# Allegro board WeChat_ZM_PART_20200601.brd (continued)
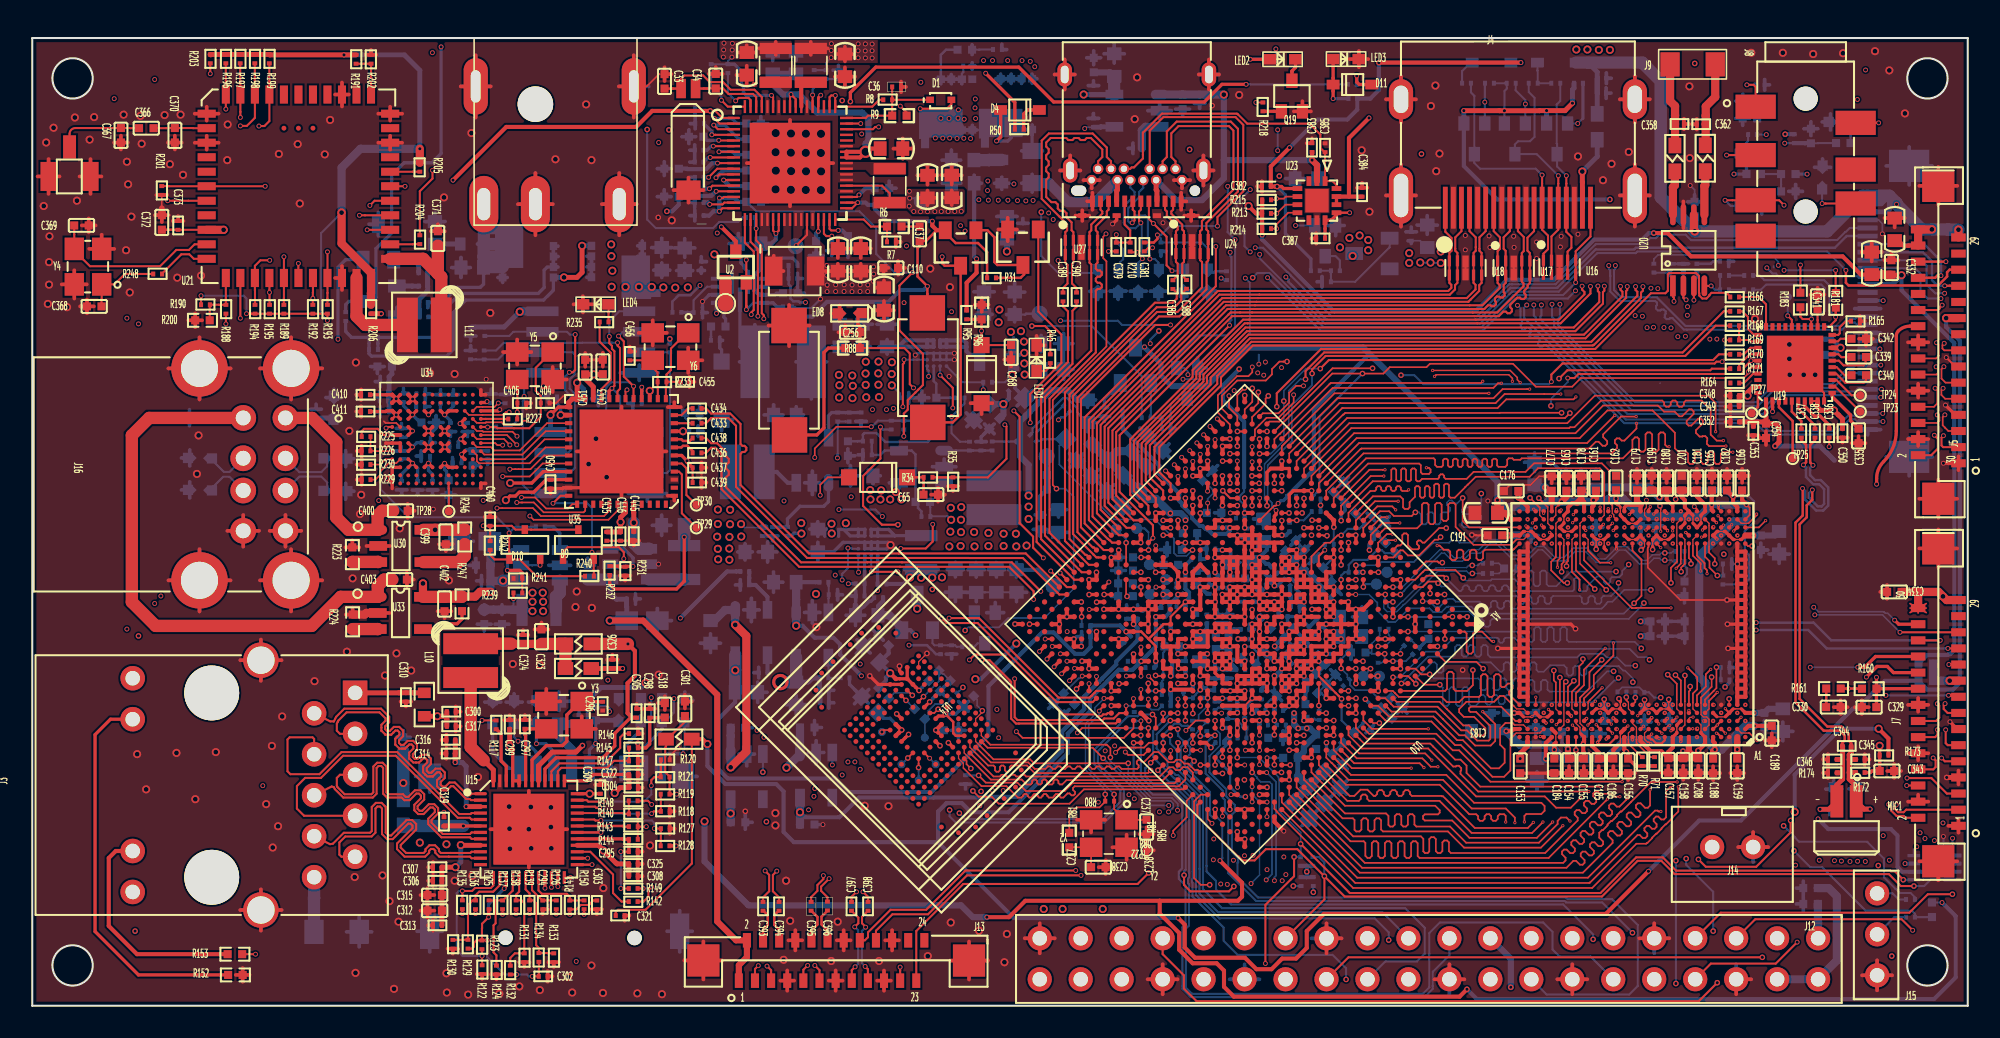
[diagram p0: board, top side]
## Routing (per net, layer and track width the routed paths; a pad name or vN(x,y) marks a point on that pad's centre or on a via; arc(x,y) is an arc through that point) (continued)
  BOTTOM w0.203: v1(18.95,41.32) 18.95,45.78 19.43,46.26 Q6.2
DDC_SCL: length 15
  TOP w0.127: v1(94.61,51.47) 94.61,50.97 94.61,50.97 J4.15 94.61,48.12 94.19,47.7 U16.9 U16.2
  BOTTOM w0.127: R155.2 92.78,56.65 93.14,56.29 93.14,53.88 92.86,53.6 92.13,53.6 91.92,53.4 Q15.3 93.28,52.8 v1(94.61,51.47)
DDC_SDA: length 12.4
  TOP w0.127: v1(95.11,51.47) 95.11,50.97 95.11,50.97 J4.16 95.11,47.99 95.43,47.67 95.43,47 95.19,46.76 U16.7 U16.4
  BOTTOM w0.127: v1(95.11,51.47) 94.54,52.04 Q17.3 94.54,53.44 94.51,53.47 94.51,55.88 94.73,56.1 R159.2
DDR0_A0: length 32.8
  TOP w0.076: 103.96,28.48 103.96,29.76 103.96,29.76 103.96,29.91 U11.AH6 ; 95.96,27.41 95.96,29.77 95.96,29.91 U11.AH21
  TOP w0.102: U10.F2 v2(86.2,25.08) ; 103.96,28.48 103.96,28.1 104.32,27.75 v2(104.32,27.4) ; v2(97.59,25.79) 95.96,27.41
  SIG2 w0.076: v2(97.59,25.79) v2(100.36,25.79) 103.07,25.79 104.32,27.03 v2(104.32,27.4)
  BOTTOM w0.102: v2(86.2,25.08) 86.64,25.08 86.79,24.92 86.79,24.91 86.98,24.72 87.25,24.72 87.56,25.02 87.56,25.02 87.76,25.23 88.08,25.23 88.26,25.05 89.73,25.05 90.17,24.62 90.31,24.62 90.43,24.74 90.43,24.98 90.55,25.1 90.72,25.1 90.84,24.98 90.84,24.74 90.96,24.62 91.13,24.62 91.25,24.74 91.25,24.98 91.37,25.1 91.53,25.1 91.65,24.98 91.65,24.74 91.77,24.62 97.3,24.62 97.59,24.92 97.59,24.95 97.7,25.05 97.97,25.05 98.7,25.79 v2(100.36,25.79)
DDR0_A1: length 28.3
  TOP w0.076: U11.AF6 103.61,29.06 v3(103.5,29.06) ; 96.46,28.45 96.46,28.91 96.34,29.03 96.34,29.03 U11.AF21
  TOP w0.102: U10.F1 v2(86.66,25.56) ; v3(97.87,27.47) 97.2,27.47 96.46,28.21 96.46,28.45
  SIG1 w0.076: v3(103.5,29.06) 103.5,27.38 102.72,26.6 v4(100.13,26.6) 99.29,26.6 98.42,27.47 v3(97.87,27.47)
  SIG2 w0.076: v2(86.66,25.56) 86.99,25.89 87.29,25.89 87.52,26.12 87.87,26.12 87.95,26.03 87.95,25.85 88.04,25.76 88.17,25.76 88.26,25.85 88.26,26.03 88.35,26.12 88.47,26.12 88.56,26.03 88.56,25.85 88.65,25.76 88.78,25.76 88.87,25.85 88.87,26.03 88.96,26.12 89.08,26.12 89.17,26.03 89.17,25.85 89.26,25.76 89.39,25.76 89.48,25.85 89.48,26.03 89.57,26.12 89.69,26.12 89.78,26.03 89.78,25.85 89.87,25.76 90,25.76 90.09,25.85 90.09,26.03 90.18,26.12 90.3,26.12 90.39,26.03 90.39,25.85 90.48,25.76 90.61,25.76 90.7,25.85 90.7,26.03 90.79,26.12 90.91,26.12 91,26.03 91,25.85 91.09,25.76 91.22,25.76 91.31,25.85 91.31,26.03 91.4,26.12 92.91,26.12 93.37,26.57 99.91,26.57 99.94,26.6 v4(100.13,26.6)
DDR0_A2: length 28.5
  TOP w0.102: v2(95.12,27.26) 95.12,27.48 95.21,27.57 U11.AE23 ; v2(102.84,27.4) 102.84,27.63 102.71,27.76 U11.AE8 ; v2(87.67,26.5) 87.51,26.66 86.45,26.66 U10.G1
  SIG2 w0.076: v2(102.84,27.4) 102.69,27.25 99.29,27.25 99.19,27.35 v2(98.98,27.35) 95.43,27.35 95.34,27.26 v2(95.12,27.26)
  BOTTOM w0.102: v2(87.67,26.5) 88.46,25.71 88.56,25.71 88.68,25.83 88.68,25.94 88.8,26.06 88.97,26.06 89.09,25.94 89.09,25.83 89.21,25.71 89.38,25.71 89.5,25.83 89.5,25.94 89.62,26.06 89.78,26.06 89.9,25.94 89.9,25.83 90.02,25.71 90.19,25.71 90.31,25.83 90.31,25.94 90.43,26.06 90.6,26.06 90.72,25.94 90.72,25.83 90.83,25.71 91,25.71 91.12,25.83 91.12,25.94 91.24,26.06 91.41,26.06 91.53,25.94 91.53,25.83 91.65,25.71 95.5,25.71 95.59,25.8 95.59,26.43 95.68,26.52 95.8,26.52 95.89,26.43 95.89,25.8 95.98,25.71 96.33,25.71 96.42,25.8 96.42,26.01 97.02,26.61 97.29,26.61 97.43,26.47 97.43,26.28 97.55,26.16 97.72,26.16 97.84,26.28 97.84,26.47 97.94,26.57 98.4,26.57 98.58,26.75 98.58,26.95 v2(98.98,27.35)
DDR0_A3: length 32.4
  TOP w0.076: U11.AH24 94.46,29.91 94.46,29.55 94.46,28.55 ; U11.AH9 101.96,29.91 101.96,28.54 101.98,28.52
  TOP w0.102: U10.G2 86.21,25.96 86.21,25.96 86.55,26.3 87.06,26.3 v2(87.16,26.2) ; 94.46,28.55 94.46,27.82 94.17,27.53 94.17,26.99 94.95,26.22 v2(95.17,26.22) ; 101.98,28.52 101.98,27.53 101.6,27.16 v2(101.6,26.22)
  SIG2 w0.076: v2(101.6,26.22) 101.41,26.22 v2(98.35,26.22) v2(95.17,26.22)
  BOTTOM w0.102: v2(87.16,26.2) 87.36,26 87.75,26 88.34,25.41 92.02,25.41 92.14,25.29 92.14,25.04 92.26,24.92 92.43,24.92 92.55,25.04 92.55,25.29 92.67,25.41 92.83,25.41 92.95,25.29 92.95,25.04 93.07,24.92 93.24,24.92 93.36,25.04 93.36,25.29 93.48,25.41 93.65,25.41 93.77,25.29 93.77,25.04 93.88,24.92 94.05,24.92 94.17,25.04 94.17,25.29 94.29,25.41 95.95,25.41 96.07,25.29 96.07,25.04 96.19,24.92 96.36,24.92 96.48,25.04 96.48,25.29 96.6,25.41 96.76,25.41 96.88,25.29 96.88,25.04 97,24.92 97.17,24.92 97.29,25.04 97.29,25.29 97.41,25.41 97.89,25.41 98.35,25.86 v2(98.35,26.22)
DDR0_A4: length 29.6
  TOP w0.076: 102.46,28.5 102.46,28.91 U11.AF9 ; 94.96,28.54 94.96,28.91 U11.AF24
  TOP w0.102: v2(94.82,26.91) 94.82,27.13 94.82,27.14 94.82,27.38 94.95,27.51 94.95,28.52 94.96,28.54 ; 102.46,28.5 102.46,27.4 102.34,27.27 102.33,27.27 102.23,27.17 v2(102.23,26.91) ; U10.H2 85.74,26.42 85.9,26.57 85.9,26.59 86.22,26.91 86.24,26.91 86.34,27.02 88.24,27.02 88.56,26.69 88.56,26.68 v2(88.72,26.52)
  SIG2 w0.076: v2(94.82,26.91) 97.98,26.91 97.98,26.92 v2(98.2,26.92) 98.41,26.92 98.41,26.91 v2(102.23,26.91)
  BOTTOM w0.102: v2(88.72,26.52) 88.88,26.36 90.42,26.36 90.5,26.45 91.9,26.45 92.33,26.01 92.55,26.01 92.67,26.13 92.67,26.86 92.79,26.98 92.96,26.98 93.08,26.86 93.08,26.13 93.2,26.01 93.37,26.01 93.49,26.13 93.49,26.86 93.6,26.98 93.77,26.98 93.89,26.86 93.89,26.13 94.01,26.01 94.49,26.01 95.39,26.92 v2(98.2,26.92)
DDR0_A5: length 28.6
  TOP w0.102: v2(87.43,27.47) 87.2,27.47 87.13,27.55 86.42,27.55 85.89,27.03 U10.H1 ; U11.AE24 94.71,27.74 94.56,27.59 v3(94.56,27.18) ; v3(101.92,27.12) 102.21,27.41 102.21,27.69 102.21,27.7 U11.AE9
  SIG1 w0.076: v3(101.92,27.12) 100.06,27.12 99.42,27.77 v4(98.22,27.77) 95.15,27.77 v3(94.56,27.18)
  SIG2 w0.076: v2(87.43,27.47) 87.58,27.62 87.58,27.7 87.67,27.79 87.67,28.06 87.76,28.15 87.88,28.15 87.97,28.06 87.97,27.79 88.06,27.7 88.19,27.7 88.28,27.79 88.28,28.06 88.37,28.15 88.49,28.15 88.58,28.06 88.58,27.79 88.67,27.7 88.8,27.7 88.89,27.79 88.89,28.06 88.98,28.15 89.1,28.15 89.19,28.06 89.19,27.79 89.28,27.7 92.17,27.7 92.3,27.56 92.3,27.3 92.39,27.21 92.52,27.21 92.61,27.3 92.61,27.66 92.7,27.75 92.82,27.75 92.91,27.66 92.91,27.3 93,27.21 93.13,27.21 93.22,27.3 93.22,27.66 93.31,27.75 93.43,27.75 93.52,27.66 93.52,27.3 93.61,27.21 93.74,27.21 93.83,27.3 93.83,27.66 93.94,27.77 v4(98.22,27.77)
DDR0_CKE0: length 30.1
  TOP w0.076: 95.46,28.32 95.46,28.91 U11.AF22 ; U11.AF7 102.96,28.91 102.96,28.54
  TOP w0.102: 102.96,28.54 102.96,27.9 103.44,27.43 v3(103.44,26.95) ; U10.E1 v2(87.56,25.5) ; v3(95.94,25.79) 95.94,26.42 95.46,26.89 95.46,28.32
  SIG1 w0.076: v3(95.94,25.79) 96.32,26.17 97.76,26.17 98.55,25.38 v4(99.31,25.38) 99.5,25.38 99.5,25.38 102.37,25.38 103.44,26.44 v3(103.44,26.95)
  SIG2 w0.076: v2(87.56,25.5) 87.77,25.5 87.81,25.46 92.86,25.46 92.95,25.55 92.95,25.75 93.04,25.84 93.16,25.84 93.25,25.75 93.25,25.55 93.34,25.46 93.47,25.46 93.56,25.55 93.56,25.75 93.65,25.84 93.77,25.84 93.86,25.75 93.86,25.55 93.95,25.46 94.08,25.46 94.17,25.55 94.17,25.75 94.26,25.84 94.38,25.84 94.47,25.75 94.47,25.55 94.56,25.46 94.69,25.46 94.78,25.55 94.78,25.75 94.87,25.84 94.99,25.84 95.08,25.75 95.08,25.55 95.17,25.46 95.3,25.46 95.39,25.55 95.39,25.75 95.48,25.84 95.6,25.84 95.69,25.75 95.69,25.55 95.86,25.38 v4(99.31,25.38)
DDR0_CKE1: length 30.5
  TOP w0.102: v3(103.84,26.79) 103.84,27 103.68,27.15 103.68,27.44 103.21,27.91 U11.AE7 ; v2(96.88,25.84) 95.71,27 U11.AE22 ; v2(85.29,24.11) 84.83,24.11 U10.F5
  SIG1 w0.076: v3(103.84,26.79) 103.84,26.44 102.37,24.97 v2(99.92,24.97) 99.6,24.64 99.18,24.64 99.18,24.64 98.07,24.64 v2(96.88,25.84)
  BOTTOM w0.102: v2(85.29,24.11) 85.52,24.11 85.52,24.11 87.51,24.11 87.81,24.41 87.81,24.41 87.84,24.44 87.91,24.44 87.92,24.44 89.09,24.44 89.56,23.98 89.88,23.98 89.99,23.86 89.99,23.62 90.11,23.5 90.28,23.5 90.4,23.62 90.4,23.86 90.52,23.98 98.98,23.98 99.76,24.76 99.76,24.81 v2(99.92,24.97)
DDR0_CLK0N: length 25
  TOP w0.102: v2(84.36,25.96) 84.04,25.96 84.04,25.96 U10.J4
  SIG1 w0.089: v3(102.69,29.66) 102.69,28.28 102.41,28 101.52,28 101.44,28.08 v2(101.22,28.08)
  BOTTOM w0.089: v2(84.36,25.96) 84.95,25.96 87.27,28.28 87.66,28.28 88.16,27.77 88.58,27.77 89.08,28.28 89.69,28.28 90.32,28.91 90.83,28.91 91.81,27.93 92.72,27.93 93.27,28.48 93.73,28.48 94.41,27.8 94.97,27.8 95.43,28.25 95.55,28.38 96.39,28.38 97.07,27.7 97.52,27.7 98.28,28.47 98.87,28.47 99.12,28.21 99.72,27.61 100.1,27.61 100.45,27.96 100.88,27.96 101,28.08 v2(101.22,28.08) 101.62,28.08 101.72,28.17 R63.2
DDR0_CLK0P: length 25.7
  TOP w0.102: U10.H4 v2(84.82,25.5)
  SIG1 w0.076: v3(102.69,30.16) 102.82,30.04 102.82,29.96
  SIG1 w0.089: v2(101.22,27.63) 101.44,27.63 101.52,27.7 102.53,27.7 102.99,28.16 102.99,29.78 102.82,29.96
  BOTTOM w0.089: R62.2 101.72,27.54 101.63,27.63 v2(101.22,27.63) 101,27.63 100.88,27.74 100.54,27.74 100.19,27.4 99.63,27.4 98.78,28.25 98.37,28.25 97.61,27.49 96.98,27.49 96.3,28.16 95.64,28.16 95.06,27.58 94.32,27.58 94.19,27.71 93.64,28.26 93.36,28.26 92.8,27.7 91.73,27.7 90.74,28.69 90.41,28.69 89.78,28.06 89.17,28.06 88.67,27.56 88.07,27.56 87.57,28.06 87.36,28.06 85.12,25.81 85.12,25.79 85.04,25.72 v2(84.82,25.5)
DDR0_CLK1N: length 23.8
  TOP w0.102: U10.J5 v2(83.89,25.5)
  SIG1 w0.076: v2(89.29,26.8) 89.37,26.89 89.83,26.89 90.12,27.17 90.12,28.03 90.19,28.1 90.39,28.1 90.47,28.03 90.47,27.54 90.72,27.29 91.16,27.29 91.42,27.55 91.42,27.82 91.5,27.9 91.74,27.9 91.95,27.7 91.95,25.5 92.08,25.37 92.08,25.33 92.15,25.26 92.5,25.26 92.63,25.26 92.87,25.5 92.87,26.21 92.96,26.3 93.41,26.3 93.66,26.55 93.66,26.91 93.41,27.16 92.96,27.16 92.87,27.25 92.87,27.54 92.98,27.65 93.75,27.65 93.98,27.65 94.77,28.43 94.77,29.39 95.02,29.65 v3(95.22,29.65)
  BOTTOM w0.089: v2(83.89,25.5) 83.89,25.28 83.79,25.19 83.79,24.64 84.01,24.43 84.59,24.43 85.04,24.88 85.08,24.88 87.14,26.94 87.65,26.94 87.66,26.95 88.92,26.95 89.07,26.8 v2(89.29,26.8)
  BOTTOM w0.102: v2(89.29,26.8) 89.77,26.8 89.77,26.8 R59.2
DDR0_CLK1P: length 23.4
  TOP w0.102: U10.H5 v2(84.36,25.04)
  SIG1 w0.076: v3(95.2,30.16) 95.06,30.16 94.49,29.58 94.49,28.55 93.86,27.93 92.86,27.93 92.59,27.66 92.59,27.13 92.85,26.88 93.29,26.88 93.38,26.79 93.38,26.67 93.29,26.58 92.85,26.58 92.59,26.32 92.59,25.61 92.52,25.54 92.3,25.54 92.23,25.61 92.23,27.85 91.9,28.18 91.38,28.18 91.14,27.94 91.14,27.67 91.04,27.57 90.84,27.57 90.75,27.66 90.75,28.14 90.51,28.38 90.08,28.38 89.84,28.14 89.84,27.29 89.72,27.17 89.62,27.17 89.49,27.3 v2(89.28,27.3)
  BOTTOM w0.089: v2(89.28,27.3) 89.06,27.3 88.92,27.16 87.57,27.16 87.56,27.15 87.05,27.15 84.99,25.1 84.95,25.1 84.9,25.05 84.5,24.65 84.15,24.65 84.05,24.74 84.05,24.96 84.06,24.96
  BOTTOM w0.102: v2(84.36,25.04) 84.13,25.04 84.06,24.96 ; v2(89.28,27.3) 89.64,27.3 89.77,27.44 R58.2
DDR0_CS0N: length 24.1
  TOP w0.102: U11.AJ7 103.21,30.78 v1(103.05,30.94) ; U10.M6 v2(82.06,26.42)
  SIG2 w0.089: 102.79,30.71 101.88,29.8 101.65,29.8 101.65,29.67 101.47,29.5 101.23,29.5 101.05,29.67 101.05,29.8 95.81,29.8 94.54,28.53 87.55,28.53 86,26.98 84.45,26.98 83.89,26.42 v2(82.06,26.42)
  SIG2 w0.102: 102.79,30.71 102.82,30.71 v1(103.05,30.94)
DDR0_CS1N: length 21.8
  TOP w0.102: U10.B1 v2(88.96,24.12)
  SIG1 w0.076: v2(88.96,24.12) 89.11,24.27 99.73,24.27 99.91,24.08 102.44,24.08 104.84,26.49 104.84,27.35 103.85,28.35 103.85,28.95 103.85,29.18 103.4,29.62 103.4,29.97 v3(103.21,30.16)
DDR0_CS2N: length 23.2
  TOP w0.076: U11.AJ22 95.57,30.45 v3(95.54,30.45)
  TOP w0.102: U10.M5 v2(82.07,27.31)
  SIG1 w0.076: v2(89.84,31.76) 89.93,31.66 91.32,31.66 91.88,31.1 93.89,31.1 94.35,30.64 95.36,30.64 v3(95.54,30.45)
  BOTTOM w0.102: v2(82.07,27.31) 82.3,27.31 83.44,27.31 83.65,27.52 85.66,27.52 86.85,28.71 87.84,28.71 87.96,28.83 87.96,29.22 88.08,29.34 88.25,29.34 88.37,29.22 88.37,28.83 88.49,28.71 89.28,28.71 89.84,29.27 89.84,29.55 89.72,29.67 88.77,29.67 88.65,29.79 88.65,29.96 88.77,30.08 89.72,30.08 89.84,30.2 89.84,30.37 89.72,30.49 88.77,30.49 88.65,30.61 88.65,30.77 88.77,30.89 89.72,30.89 89.84,31.01 v2(89.84,31.76)
DDR0_CS3N: length 21.3
  TOP w0.076: U11.AH22 v3(95.5,29.95)
  TOP w0.102: U10.C2 v2(88.05,24.12)
  SIG1 w0.076: v3(95.5,29.95) 95.5,28.6 94.11,27.2 94.11,25.61 93.92,25.42 93.79,25.42 93.62,25.58 93.5,25.58 93.41,25.49 93.41,25.37 93.57,25.2 93.57,25.08 93.48,24.99 93.36,24.99 93.19,25.15 93.07,25.15 92.98,25.06 92.98,24.94 93.14,24.77 93.14,24.64 93.05,24.55 92.7,24.55 92.61,24.64 92.61,24.79 92.52,24.88 92.39,24.88 92.3,24.79 92.3,24.64 92.21,24.55 92.09,24.55 92,24.64 92,24.79 91.91,24.88 91.78,24.88 91.69,24.79 91.69,24.64 91.6,24.55 91.38,24.55 91.22,24.71 91.22,25.29 91.13,25.38 91,25.38 90.91,25.29 90.91,24.71 90.82,24.62 90.7,24.62 90.61,24.71 90.61,25.29 90.52,25.38 90.39,25.38 90.3,25.29 90.3,24.71 90.22,24.62 90.09,24.62 90,24.71 90,25.29 89.91,25.38 89.78,25.38 89.69,25.29 89.69,24.71 89.61,24.62 89.48,24.62 89.39,24.71 89.39,25.29 89.3,25.38 89.17,25.38 89.09,25.29 89.09,24.71 89,24.62 88.87,24.62 88.78,24.71 88.78,25.29 88.69,25.38 88.56,25.38 88.48,25.29 88.48,24.71 88.39,24.62 88.29,24.62 88.05,24.38 v2(88.05,24.12)
DDR0_D0: length 38.7
  TOP w0.102: v3(107.47,30.08) 107.05,29.66 U11.AG1 ; U10.AB2 78.85,33.31 81.66,36.12 95.17,36.12 96.88,37.83 103.91,37.83 104.37,37.37 v3(104.37,35.59)
  SIG1 w0.076: v3(104.37,35.59) 105.41,35.59 107.47,33.54 v3(107.47,30.08)
DDR0_D1: length 39.1
  TOP w0.102: v2(106.63,28.5) 106.37,28.5 U11.AE1 ; v3(104.85,35.04) 104.44,35.04 104.06,35.41 104.06,36.96 103.5,37.52 102.52,37.52 102.4,37.4 102.4,37.26 102.28,37.14 102.11,37.14 101.99,37.26 101.99,37.4 101.87,37.52 101.7,37.52 101.59,37.4 101.59,37.26 101.47,37.14 101.3,37.14 101.18,37.26 101.18,37.4 101.06,37.52 97.27,37.52 95.62,35.87 95.35,35.87 95.29,35.81 81.78,35.81 79.46,33.49 79.46,33.46 U10.AB1
  SIG1 w0.076: v2(106.63,28.5) 106.38,28.76 106.38,29.32 107.19,30.13 107.19,33.42 105.57,35.04 v3(104.85,35.04)
DDR0_D2: length 39
  TOP w0.076: 106.41,29.91 105.96,29.91 U11.AH2
  TOP w0.102: 106.41,29.91 106.91,30.41 v3(106.91,30.49) ; U10.AA2 79.31,32.85 81.96,35.5 95.68,35.5 97.39,37.22 100.79,37.22 101.17,36.84 101.83,36.84 102.12,36.55 102.29,36.55 102.71,36.98 102.88,36.98 103,36.86 103,36.69 102.57,36.26 102.57,36.09 102.69,35.97 102.86,35.97 103.29,36.4 103.46,36.4 103.58,36.28 103.58,36.11 103.15,35.68 103.15,35.52 103.37,35.29 103.54,35.29 103.56,35.31 103.73,35.31 103.85,35.19 103.85,35.03 103.83,35 103.83,34.84 103.96,34.7 v3(105,34.7)
  SIG1 w0.076: v3(106.91,30.49) 106.91,33.3 105.51,34.7 v3(105,34.7)
DDR0_D3: length 38.8
  TOP w0.102: U10.AA1 80.01,33.09 82.11,35.19 95.94,35.19 97.66,36.91 100.46,36.91 101.84,35.53 101.84,34.56 102.05,34.35 102.54,34.35 102.66,34.23 102.66,33.71 102.78,33.59 102.94,33.59 103.07,33.72 103.07,34.24 103.18,34.35 103.35,34.35 103.47,34.23 103.47,33.71 103.59,33.59 103.76,33.59 103.88,33.71 103.88,34.23 104,34.35 104.16,34.35 104.28,34.23 104.28,33.71 104.4,33.59 104.57,33.59 104.69,33.71 104.69,34.22 104.79,34.32 105.28,34.32 v3(105.43,34.32) ; v3(105.73,29.16) U11.AF2
  SIG1 w0.076: v3(105.73,29.16) 105.83,29.26 106.05,29.47 106.05,29.75 106.6,30.31 106.6,33.21 105.5,34.32 v3(105.43,34.32)
DDR0_D4: length 40.7
  TOP w0.076: v3(104.52,30.38) 104.52,30.38 104.71,30.16 U11.AH4
  TOP w0.102: v3(98.12,36.61) 96.4,34.89 82.26,34.89 79.77,32.4 U10.Y2
  SIG1 w0.076: v3(104.52,30.38) 104.83,30.69 104.83,33.06 104.51,33.38 104.46,33.38 103.68,34.15 103.68,34.22 102.25,35.65 102.25,35.88 102.25,36.32 100.77,37.79 100.02,37.79 99.93,37.7 99.93,37.54 99.84,37.45 99.72,37.45 99.63,37.54 99.63,38.15 99.54,38.24 99.41,38.24 99.33,38.15 99.33,37.35 99.24,37.26 99.11,37.26 99.02,37.35 99.02,38.15 98.93,38.24 98.81,38.24 98.72,38.15 98.72,36.46 98.63,36.37 98.5,36.37 98.41,36.46 98.41,38.15 98.32,38.24 98.09,38.24 97.99,38.14 97.99,36.73 v3(98.12,36.61)
DDR0_D5: length 37.7
  TOP w0.102: U10.Y1 82.36,34.52 82.38,34.52 82.41,34.55 96.52,34.55 96.94,34.97 97.11,34.97 97.36,34.72 97.53,34.72 97.65,34.84 97.65,35.01 97.4,35.26 97.4,35.43 98.5,36.53 v3(99.44,36.53)
  SIG1 w0.076: v3(99.44,36.53) 99.44,36.73 99.88,37.17 99.88,37.17 100.36,37.17 101.65,35.88 101.65,35.75 101.18,35.29 101.18,35.16 101.27,35.07 101.4,35.07 101.86,35.54 101.97,35.54 102.08,35.42 102.08,35.32 101.79,35.03 101.79,34.91 101.88,34.82 102.01,34.82 102.29,35.11 102.4,35.11 102.51,34.99 102.51,34.89 102.14,34.52 102.14,34.4 102.23,34.31 102.36,34.31 102.72,34.67 102.83,34.67 102.94,34.56 102.94,34.46 102.74,34.26 102.74,34.13 102.83,34.05 102.96,34.05 103.16,34.24 103.26,34.24 103.4,34.1 103.4,34.04 104.27,33.17 104.27,31.47 104.19,31.39 103.99,31.39 103.81,31.21 103.81,30.95 104.24,30.52 104.24,30.26 104.27,30.24 104.49,30.01 104.49,29.5 104.71,29.28 v3(104.71,29.16)
DDR0_D6: length 38.9
  TOP w0.102: v3(101.49,34.66) 101.36,34.66 101.24,34.78 101.24,35.43 101.12,35.55 100.95,35.55 100.83,35.43 100.83,34.47 100.72,34.36 100.55,34.36 100.43,34.47 100.43,35.43 100.31,35.55 100.14,35.55 100.02,35.43 100.02,34.47 99.9,34.36 99.73,34.36 99.62,34.47 99.62,35.14 99.51,35.24 99.37,35.24 99.21,35.08 99.21,34.53 98.62,33.94 92.35,33.94 92.26,33.85 91.85,33.85 91.77,33.94 91.54,33.94 91.45,33.85 91.45,33.53 91.33,33.41 90.91,33.41 90.82,33.5 90.82,33.82 90.73,33.91 90.6,33.91 90.51,33.82 90.51,33.5 90.42,33.41 90.3,33.41 90.21,33.5 90.21,33.82 90.12,33.91 89.99,33.91 89.9,33.82 89.9,33.5 89.81,33.41 89.69,33.41 89.6,33.5 89.6,33.82 89.51,33.91 89.38,33.91 89.29,33.82 89.29,33.5 89.2,33.41 89.08,33.41 88.99,33.5 88.99,33.82 88.9,33.91 88.77,33.91 88.68,33.82 88.68,33.5 88.6,33.41 88.47,33.41 88.38,33.5 88.38,33.82 88.29,33.91 88.16,33.91 88.07,33.82 88.07,33.5 87.99,33.41 87.86,33.41 87.77,33.5 87.77,33.82 87.68,33.91 87.55,33.91 87.47,33.82 87.47,33.5 87.38,33.41 87.1,33.41 86.98,33.53 86.98,33.85 86.89,33.94 82.7,33.94 80.93,32.17 U10.W1
  SIG1 w0.076: v3(104.25,29.69) 104.21,29.69 104.21,29.9 103.96,30.15 103.96,30.4 103.53,30.83 103.53,31.06 103.53,31.64 101.58,33.59 101.58,34.56 v3(101.49,34.66)
DDR0_D7: length 38.1
  TOP w0.102: v3(99.46,36.11) 99.46,35.79 98.71,35.04 98.54,35.04 98.41,35.18 98.24,35.18 98.12,35.06 98.12,34.89 98.26,34.75 98.26,34.58 97.92,34.25 82.54,34.25 80.23,31.94 U10.W2
  SIG1 w0.076: v3(104.21,28.66) 104.21,28.69 104.13,28.77 104.13,29.33 103.68,29.77 103.68,30.08 103.18,30.58 102.84,30.58 102.7,30.72 102.7,30.74 102.66,30.78 102.66,31.02 102.84,31.21 102.86,31.21 102.93,31.28 102.93,31.85 100.79,33.99 100.79,35.31 101.24,35.76 101.24,35.89 101.15,35.98 101.03,35.98 100.34,35.29 100.21,35.29 100.12,35.38 100.12,35.51 100.81,36.19 100.81,36.32 100.72,36.41 100.59,36.41 99.91,35.72 99.78,35.72 99.69,35.81 99.69,35.94 100.38,36.63 100.38,36.75 100.3,36.83 100.18,36.83 v3(99.46,36.11)
DDR0_D8: length 32.8
  TOP w0.102: U10.AF2 77.01,35.14 77.34,35.46 77.35,35.46 80.5,38.61 89.82,38.61 v3(89.93,38.72)
  SIG1 w0.076: v3(99.71,28.66) 99.55,28.82 99.55,28.82 99.42,28.94 99.42,29.31 99.09,29.65 99.09,30.36 99.09,32.09 97.82,33.36 96.22,34.96 96.11,35.07 92.3,35.07 90.8,36.56 90.67,36.56 90.44,36.34 90.32,36.34 90.23,36.42 90.23,36.55 90.46,36.78 90.46,36.91 90.37,37 90.24,37 90.01,36.77 89.89,36.77 89.8,36.86 89.8,36.98 90.03,37.21 90.03,37.34 89.93,37.44 89.93,37.44 v3(89.93,38.72)
DDR0_D9: length 33.9
  TOP w0.102: v3(90.31,37.97) 80.74,37.97 77.47,34.7 U10.AE2
  SIG1 w0.076: v3(99.65,29.63) 99.56,29.73 99.56,29.81 99.36,30 99.36,30.47 99.36,32.21 97.93,33.64 96.33,35.24 96.22,35.35 95.59,35.35 95.59,35.35 93.34,35.35 92.92,35.78 92.79,35.78 92.47,35.46 92.35,35.46 92.26,35.55 92.26,35.68 92.57,36 92.57,36.12 92.48,36.21 92.36,36.21 92.04,35.9 91.91,35.9 91.82,35.98 91.82,36.11 92.14,36.43 92.14,36.56 92.05,36.64 91.93,36.64 91.61,36.33 91.48,36.33 91.39,36.42 91.39,36.54 91.71,36.86 91.71,36.99 91.62,37.08 91.5,37.08 91.18,36.76 91.05,36.76 90.96,36.85 90.96,36.97 91.28,37.29 91.28,37.42 91.19,37.51 91.07,37.51 90.79,37.23 90.67,37.23 90.58,37.32 90.58,37.45 90.85,37.72 90.85,37.85 90.73,37.97 v3(90.31,37.97)
DDR0_D10: length 32.8
  TOP w0.102: U10.AF1 80.63,38.31 90.59,38.31 90.88,38.59 v3(91.09,38.59)
  SIG1 w0.076: v3(91.09,38.59) 91.34,38.34 91.34,38.21 91.2,38.07 91.2,37.94 91.29,37.85 91.42,37.85 91.56,37.99 91.69,37.99 91.77,37.9 91.77,37.77 91.63,37.63 91.63,37.51 91.72,37.42 91.85,37.42 91.99,37.56 92.12,37.56 92.21,37.47 92.21,37.34 92.07,37.2 92.07,37.08 92.15,36.99 92.28,36.99 92.42,37.13 92.55,37.13 92.64,37.04 92.64,36.91 92.5,36.77 92.5,36.65 92.59,36.56 92.71,36.56 92.85,36.7 92.98,36.7 93.07,36.61 93.07,36.48 92.93,36.34 92.93,36.21 93.02,36.13 93.14,36.13 93.28,36.27 93.41,36.27 93.5,36.18 93.5,36.05 93.36,35.91 93.36,35.78 93.51,35.63 96.33,35.63 96.45,35.52 99.64,32.32 99.64,30.59 99.64,30.12 99.99,29.78 99.99,29.62 100,29.61 100,29.37 100.05,29.32 100.05,29.32 v3(100.21,29.16)
DDR0_D11: length 31.9
  TOP w0.076: U11.AH13 99.96,30.41 99.96,30.77 100.08,30.89 v7(100.08,31.35)
  TOP w0.102: U10.AD2 77.93,34.24 81.05,37.36 81.12,37.36 90.72,37.36 91.29,37.93 93.74,37.93 93.74,37.93 v3(94.77,37.93)
  GND1 w0.076: v3(100.24,33.65) 100.24,31.51 v7(100.08,31.35)
  SIG1 w0.076: v3(94.77,37.93) 94.77,37.57 94.89,37.44 95.99,37.44 96.08,37.36 96.08,37.06 96.17,36.97 96.3,36.97 96.39,37.06 96.39,37.36 96.48,37.44 97.13,37.44 97.31,37.27 97.31,36.63 97.89,36.05 97.89,36.05 99.48,34.45 99.61,34.45 99.81,34.66 99.94,34.66 100.03,34.57 100.03,34.44 99.83,34.24 99.83,34.11 100.14,33.8 100.14,33.75 v3(100.24,33.65)
DDR0_D12: length 31.8
  TOP w0.102: U10.AE1 78.14,34.9 78.15,34.9 80.92,37.67 80.99,37.67 90.6,37.67 91.16,38.23 92.69,38.23 v3(92.84,38.23)
  SIG1 w0.076: v3(101.21,29.16) 101.35,29.29 101.35,29.49 101.08,29.76 101.08,30.66 101.24,30.82 101.24,32.19 101.1,32.34 100.65,32.79 100.65,32.92 100.79,33.07 100.79,33.19 100.71,33.28 100.58,33.28 100.43,33.13 100.3,33.13 100.08,33.36 99.58,33.86 96.88,36.56 96.76,36.68 95.89,36.68 95.4,37.17 94.68,37.17 94.04,37.81 93.91,37.81 93.72,37.62 93.59,37.62 93.5,37.71 93.5,37.84 93.69,38.03 93.69,38.16 93.62,38.23 v3(92.84,38.23)
DDR0_D13: length 32.1
  TOP w0.076: U11.AH11 101.39,30.16 v3(101.4,30.16)
  TOP w0.102: U10.AD1 81.22,37.06 81.24,37.06 90.85,37.06 91.39,37.6 95.55,37.6 v3(95.71,37.75)
  SIG1 w0.076: v3(101.4,30.16) 101.63,30.38 101.63,31.06 101.52,31.16 101.52,32.86 100.51,33.87 100.51,34.55 99.91,35.15 99.78,35.15 99.55,34.91 99.42,34.91 99.33,35 99.33,35.13 99.57,35.36 99.57,35.49 99.48,35.58 99.35,35.58 99.12,35.34 98.99,35.34 98.9,35.43 98.9,35.56 99.14,35.79 99.14,35.92 98.97,36.09 98.24,36.09 98.01,36.33 98,36.33 97.61,36.72 97.61,37.52 97.38,37.75 v3(95.71,37.75)
DDR0_D14: length 32
  TOP w0.102: v2(95.33,36.74) 95.03,36.44 81.52,36.44 U10.AC1
  SIG1 w0.076: v3(101.71,28.66) 101.89,28.84 101.9,28.84 102.31,29.25 102.31,30.31 102.37,30.38 102.37,30.86 v4(102.21,31.02)
  SIG2 w0.076: v2(95.33,36.74) 95.33,36.14 96.74,34.74 96.86,34.74 97.14,35.01 97.26,35.01 97.35,34.92 97.35,34.79 97.08,34.52 97.08,34.4 97.17,34.31 97.3,34.31 97.57,34.58 97.7,34.58 97.78,34.49 97.78,34.36 97.51,34.09 97.51,33.96 98.83,32.64 100.47,32.64 101.56,31.55 101.56,31.29 101.83,31.02 101.97,31.02 v4(102.21,31.02)
DDR0_D15: length 32.6
  TOP w0.076: v3(101.7,29.44) 101.71,29.45 U11.AG10
  TOP w0.102: U10.AC2 78.39,33.77 81.27,36.66 81.31,36.66 81.4,36.75 90.97,36.75 90.99,36.77 v2(94.82,36.77)
  SIG1 w0.076: v3(101.7,29.44) 101.7,29.65 101.84,29.79 101.84,29.79 102.03,29.98 102.03,30.79 101.92,30.9 101.92,31.16 101.89,31.19 v2(101.89,31.4)
  SIG2 w0.076: v2(94.82,36.77) 95.11,37.06 95.61,37.06 95.98,36.69 95.98,36.57 95.74,36.33 95.74,36.2 95.83,36.11 95.95,36.11 96.19,36.35 96.32,36.35 96.41,36.26 96.41,36.14 96.17,35.9 96.17,35.77 96.26,35.68 96.38,35.68 96.62,35.92 96.75,35.92 96.84,35.83 96.84,35.7 96.6,35.46 96.6,35.34 96.69,35.25 96.81,35.25 97.05,35.49 97.18,35.49 99.75,32.92 100.58,32.92 101.89,31.61 v2(101.89,31.4)
DDR0_D16: length 23.9
  TOP w0.102: v3(83.87,33.23) 83.72,33.23 82.91,33.23 81.39,31.71 81.39,31.71 U10.V1
  SIG1 w0.076: v3(83.87,33.23) 83.95,33.23 85.4,34.68 85.86,34.68 85.95,34.77 85.95,35.04 86.03,35.13 86.16,35.13 86.25,35.04 86.25,34.77 86.34,34.68 86.47,34.68 86.56,34.77 86.56,35.04 86.64,35.13 86.77,35.13 86.86,35.04 86.86,34.77 86.95,34.68 95.68,34.68 96.1,34.68 97.7,33.08 98.81,31.97 98.81,30.24 98.81,29.98 98.71,29.88 v3(98.71,29.66)
DDR0_D17: length 25.9
  TOP w0.102: U10.V2 80.69,31.48 82.82,33.62 85.99,33.62 86.09,33.51 86.09,33.08 86.19,32.97 86.59,32.97 86.69,33.08 86.69,33.25 86.59,33.36 v3(86.44,33.36)
  SIG1 w0.076: v3(86.44,33.36) 95.56,33.36 95.61,33.3 95.61,33.21 95.24,32.83 95.24,32.74 95.3,32.67 95.4,32.67 95.77,33.05 95.87,33.05 95.93,32.98 95.93,32.88 95.56,32.51 95.56,32.42 95.71,32.26 96.65,32.26 97.03,31.88 97.03,31.56 97.11,31.48 97.11,31.22 96.95,31.06 96.95,30.63 97.59,29.99 97.59,29.76 97.81,29.53 97.82,29.53 97.99,29.36 97.99,29.02 98.36,28.66 v3(98.71,28.66)
DDR0_D18: length 25.1
  TOP w0.076: 97.96,30.81 97.96,30.53 98.06,30.43 98.06,30.31 U11.AH17
  TOP w0.102: U10.U1 81.85,31.25 83.11,32.52 84.17,32.52 84.26,32.61 84.26,33.22 84.35,33.31 84.48,33.31 84.57,33.22 84.57,32.61 84.66,32.52 84.78,32.52 84.87,32.61 84.87,33.22 84.96,33.31 85.09,33.31 85.18,33.22 85.18,32.61 85.27,32.52 85.39,32.52 85.48,32.61 85.48,33.22 85.57,33.31 85.7,33.31 85.79,33.22 85.79,32.61 85.87,32.52 86.02,32.52 86.17,32.67 87.14,32.67 87.23,32.76 87.23,32.86 87.32,32.95 87.45,32.95 87.54,32.86 87.54,32.76 87.63,32.67 88.93,32.67 89.37,33.1 92.58,33.1 93.11,33.63 97.06,33.63 97.06,33.63 97.31,33.63 97.77,33.17 97.77,31.49 97.76,31.48 97.76,31.22 97.96,31.02 97.96,30.81
